# Altium PCB foxbms2-master.PcbDoc (part 9 of 12) (continued)
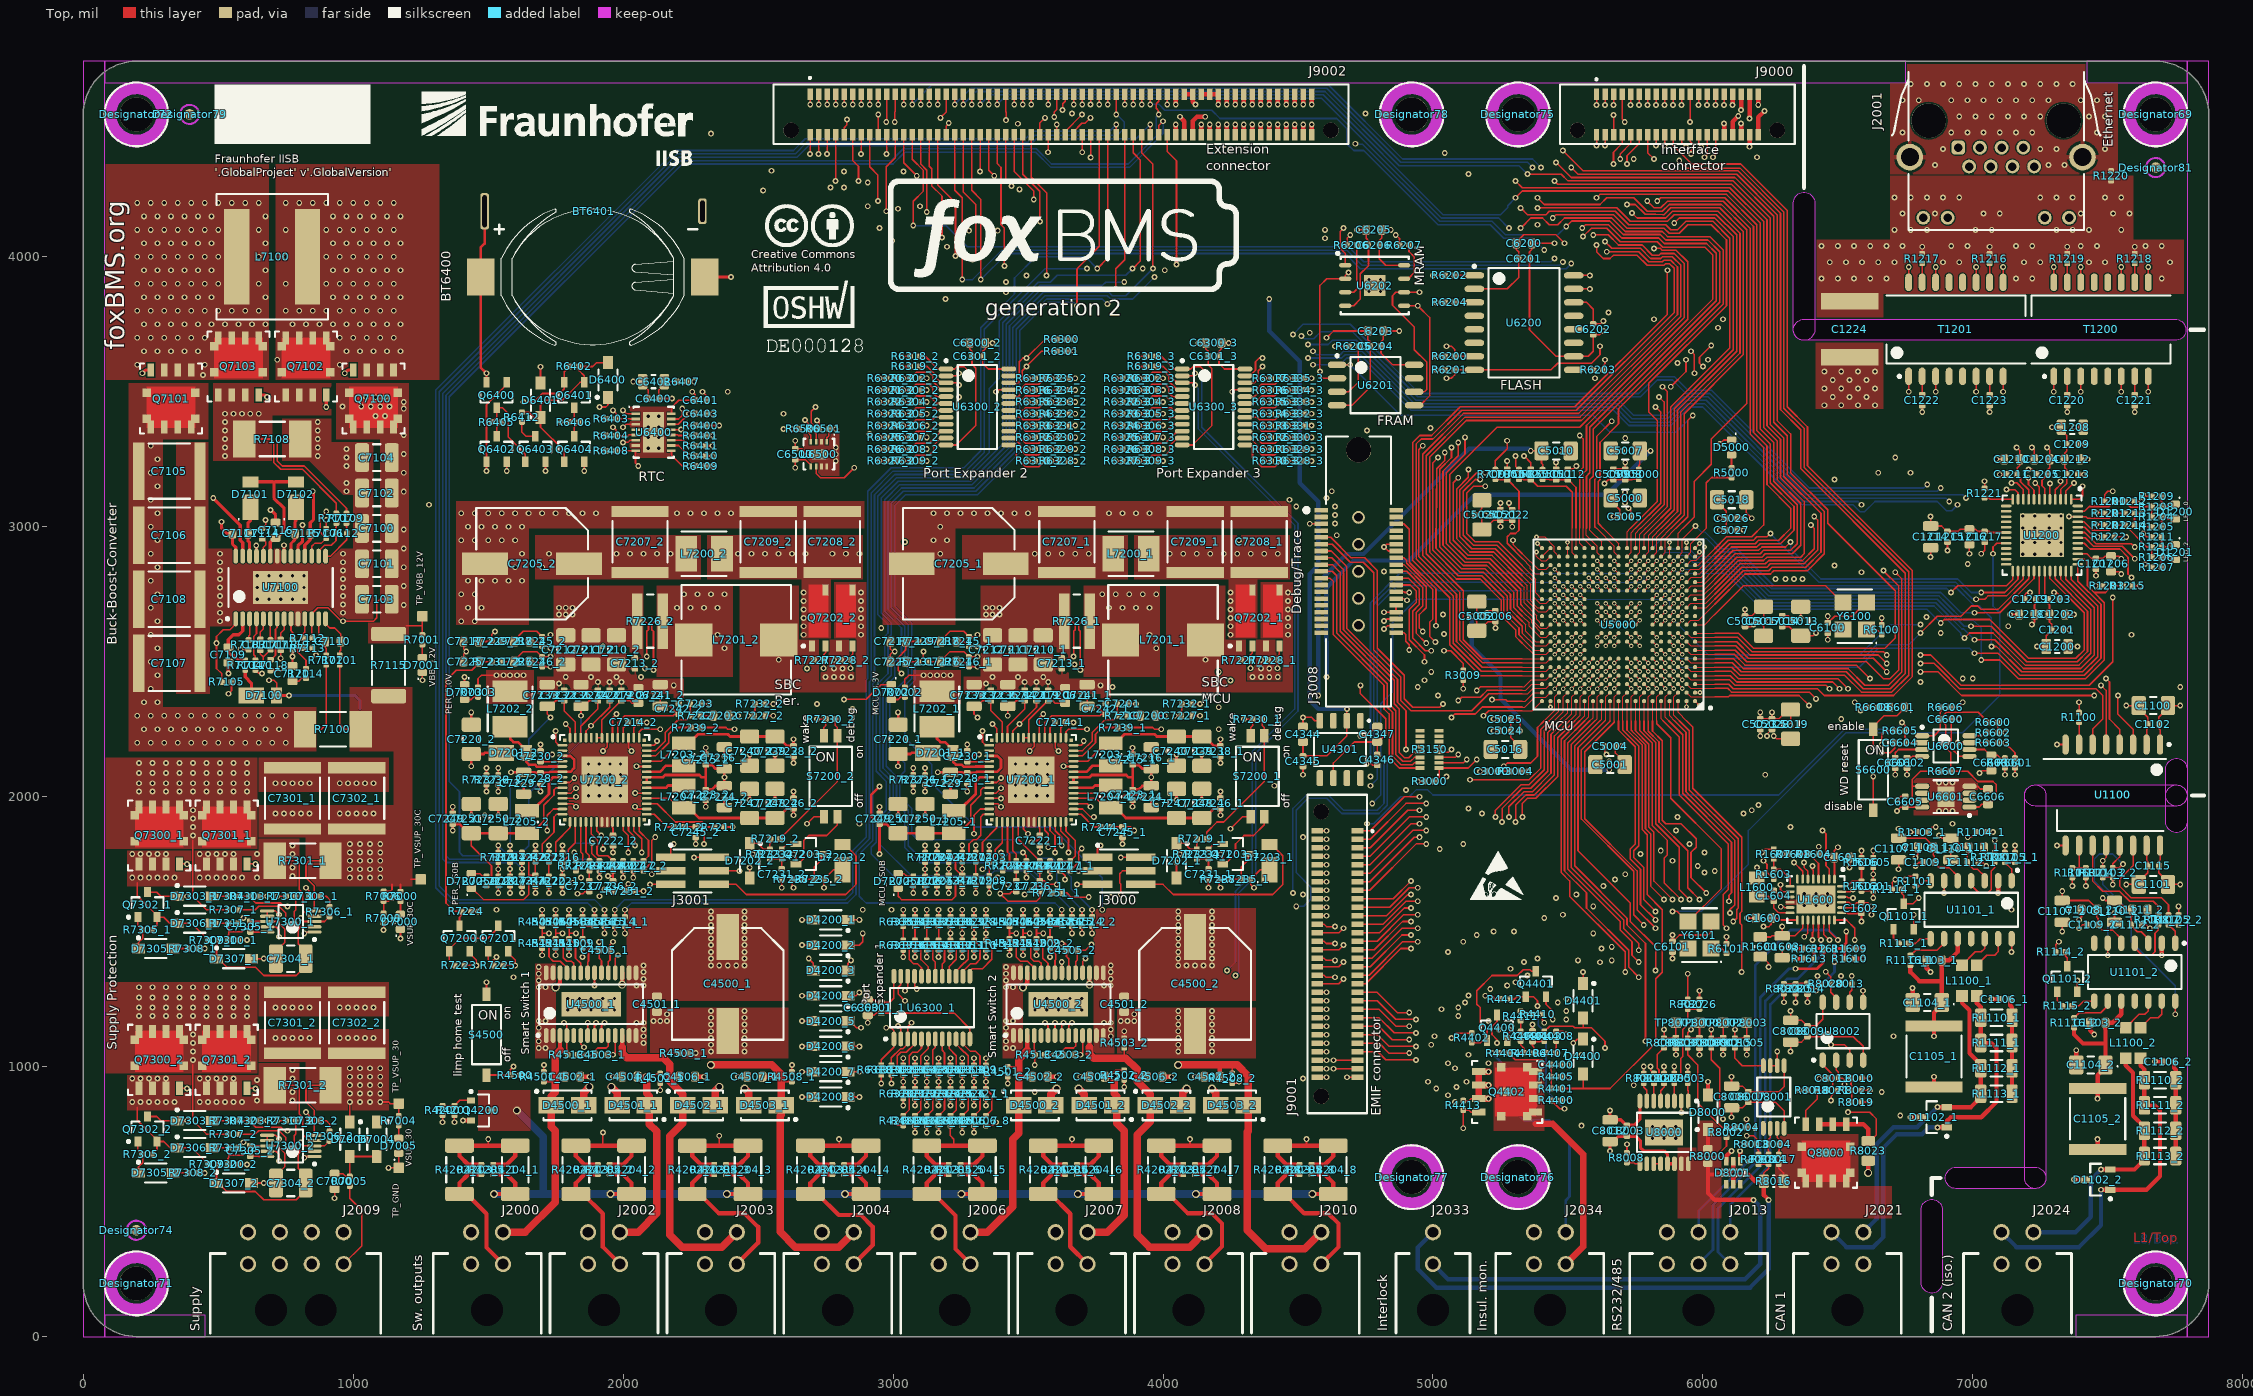
[diagram p0: Top view]
## Nets (pads, with @x,y where several pads share a name; then routed paths per layer and width w, separated by ;. In a path a pad name is that pad's centre, name@x,y a point inside that pad or via, vN(x,y) a via of type N, cw(c..) or ccw(c..) an arc to the next point about the centre after c; other vN are vias at no path point) (continued)
NetC7244_1_2: C7244_1.2 D7200_1.1 R7242_1.1 R7243_1.1 U7200_1.14 | length 731.8
  Top w6: D7200_1.1@3018.75,1659.94 3018.75,1631.25 3031.25,1618.75 3218.75,1618.75 3231.25,1631.25 3231.25,1685.58 C7244_1.2@3254.28,1708.61 ; R7243_1.1@3206.25,1792.72 3231.25,1767.72 3231.25,1731.64 C7244_1.2@3254.28,1708.61 ; U7200_1.14@3356.48,1934.55 3334.55,1934.55 3325,1925 3325,1856.63 3309.04,1840.67 3296.92,1840.67 3281.25,1825 3281.25,1782.28 R7242_1.1@3256.25,1757.28 v2(3256.25,1732.95) C7244_1.2@3256.25,1708.61 C7244_1.2@3254.28,1708.61
NetC7244_2_2: C7244_2.2 D7200_2.1 R7242_2.1 R7243_2.1 U7200_2.14 | length 708.6
  Top w6: D7200_2.1@1437.5,1659.94 1441.44,1659.94 1482.63,1618.75 1631.25,1618.75 1650,1637.5 1650,1707.63 ; R7243_2.1@1625,1792.72 1650,1767.72 1650,1707.63 ; U7200_2.14@1775.23,1934.55 1753.3,1934.55 1743.75,1925 1743.75,1868.75 1700,1825 1700,1782.28 R7242_2.1@1675,1757.28 C7244_2.2@1675,1708.61 1650.98,1708.61 1650,1707.63
NetC7300_1_1: C7300_1.1 D7306_1.2 R7310_1.1 R7311_1.2 U7300_1.9 | length 550
  Top w6: D7306_1.2@476.87,1531.25 R7311_1.2@538.53,1531.25 538.53,1500 ; C7300_1.1@536.17,1468.75 536.17,1486.17 538.53,1488.53 538.53,1500 ; v2(718.75,1631.25) R7310_1.1@751.03,1631.25 ; v2(725,1481.25) 725,1506.25 713.44,1517.81 U7300_1.9@681.15,1517.81 650.58,1517.81 649.64,1518.75 606.25,1518.75 587.5,1500 538.53,1500
  Int1 (Sig) w6: v2(718.75,1631.25) 700,1612.5 700,1506.25 v2(725,1481.25)
NetC7300_2_1: C7300_2.1 D7306_2.2 R7310_2.1 R7311_2.2 U7300_2.9 | length 548.7
  Top w6: D7306_2.2@476.87,700 R7311_2.2@538.53,700 538.53,671.88 ; C7300_2.1@536.17,637.5 536.17,661.17 538.53,663.53 538.53,671.88 ; v2(718.75,800) R7310_2.1@751.03,800 ; v2(725,650) 725,675 713.44,686.56 U7300_2.9@681.15,686.56 650.58,686.56 649.64,687.5 606.25,687.5 590.62,671.88 538.53,671.88
  Int1 (Sig) w6: v2(718.75,800) 700,781.25 700,675 v2(725,650)
NetC7303_1_2: C7303_1.2 R7306_1.1 | length 68.4
  Top w6: C7303_1.2@876.33,1631.25 900,1631.25 912.5,1618.75 R7306_1.1@912.5,1591.68
NetC7303_2_2: C7303_2.2 R7306_2.1 | length 68.4
  Top w6: C7303_2.2@876.33,800 900,800 912.5,787.5 R7306_2.1@912.5,760.43
NetC7304_1_2: C7304_1.2 D7307_1.1 R7309_1.1 R7310_1.2 U7300_1.2 | length 778.6
  Top w6: R7309_1.1@498.97,1468.75 498.97,1453.92 493.75,1448.71 D7307_1.1@493.75,1400 499.85,1400 531.1,1368.75 637.5,1368.75 668.75,1337.5 788.93,1337.5 823.87,1372.44 C7304_1.2@823.87,1400 823.87,1427.56 796.24,1455.19 796.24,1508.74 805.31,1517.81 ; R7310_1.2@786.47,1631.25 786.47,1580.22 781.25,1575 781.25,1541.88 805.31,1517.81 ; U7300_1.2@856.35,1517.81 805.31,1517.81
NetC7304_2_2: C7304_2.2 D7307_2.1 R7309_2.1 R7310_2.2 U7300_2.2 | length 778.6
  Top w6: R7309_2.1@498.97,637.5 498.97,622.67 493.75,617.46 D7307_2.1@493.75,568.75 499.85,568.75 531.1,537.5 637.5,537.5 668.75,506.25 788.93,506.25 823.87,541.19 C7304_2.2@823.87,568.75 823.87,596.31 796.24,623.94 796.24,677.49 805.31,686.56 ; R7310_2.2@786.47,800 786.47,748.97 781.25,743.75 781.25,710.63 805.31,686.56 ; U7300_2.2@856.35,686.56 805.31,686.56
NetC7305_1_2: C7305_1.2 U7300_1.10 | length 62.6
  Top w6: C7305_1.2@618.75,1498.67 650.04,1498.67 650.58,1498.13 U7300_1.10@681.15,1498.13
NetC7305_2_2: C7305_2.2 U7300_2.10 | length 62.6
  Top w6: C7305_2.2@618.75,667.42 650.04,667.42 650.58,666.88 U7300_2.10@681.15,666.88
NetC8004_1: C8004.1 R8017.1 U8001.3 | length 101.9
  Top w6: U8001.3@6275.3,771.36 6275.3,737.2 6282.58,729.92 C8004.1@6282.58,712.5 6282.58,690.12 6281.25,688.79 R8017.1@6281.25,673.97 R8017.1@6281.91,674.63
NetC8004_2: C8004.2 R8014.1 U8001.2 | length 101
  Top w6: R8014.1@6243.75,673.97 6243.75,688.79 6242.42,690.12 C8004.2@6242.42,712.5 6242.42,729.92 6249.7,737.2 U8001.2@6249.7,771.36
NetC8010_2: C8010.2 R8019.2 R8021.1 R8022.2 U8002.3 | length 513.2
  Top w6: v2(6475,875) 6475,889.57 R8021.1@6497.93,912.5 R8022.2@6551.03,912.5 ; v2(6475,1081.25) 6525,1081.25 6543.75,1062.5 U8002.3@6543.75,1023.97 ; R8019.2@6551.03,868.75 R8022.2@6551.03,912.5 ; C8010.2@6551.03,953.89 C8010.2@6548.67,956.25 6548.67,932.58 6551.03,930.22 R8022.2@6551.03,912.5
  Int1 (Sig) w6: v2(6475,875) v2(6475,1081.25)
NetC8011_1: C8011.1 C8013.1 Q8000.S R8023.1 U8002.2 U8002.6 | length 1268.6
  Top w6: U8002.2@6493.75,1023.97 6493.75,987.5 6501.33,979.92 C8011.1@6501.33,956.25 6518.75,956.25 6524.36,950.64 v2(6524.36,934.33) ; v1(6537.5,831.25) 6618,831.25 6643,806.25 6643,747.53 6619.39,723.92 R8023.1@6612.5,723.92 ; U8002.6@6543.75,1238.53 6543.75,1275 6551.33,1282.58 C8013.1@6551.33,1306.25 v2(6551.33,1336.17)
  Top w16: Q8000.S@6437.5,786.57 6487.5,786.57 Q8000.S@6537.5,786.57 ; Q8000.S@6531.25,786.57 6594.69,786.57 6612.5,768.75 R8023.1@6612.5,723.92
  Int1 (Sig) w6: v1(6537.5,831.25) 6524.36,844.39 v2(6524.36,934.33) 6551.33,961.3 6551.33,1201.33 6625,1275 6625,1304.13 6592.96,1336.17 v2(6551.33,1336.17)
NetC8014_2: C8014.2 R8024.2 R8025.2 U8002.5 | length 348.8
  Top w6: R8024.2@6300,1306.25 R8025.2@6343.75,1306.25 6358.58,1306.25 6360.94,1308.61 C8014.2@6387.5,1308.61 6389.47,1308.61 6416.83,1281.25 v1(6418.75,1281.25) ; U8002.5@6593.75,1238.53 v1(6593.75,1281.25)
  Int3 (Sig) w6: v1(6418.75,1281.25) v1(6593.75,1281.25)
NetD5000_2: D5000.2 R5000.1 | length 48.5
  Top w6: R5000.1@6106.25,3217.72 D5000.2@6106.25,3266.19
NetD6400_2: D6400.2 D6401.1 Q6401.G Q6404.G R6402.1 R6412.2 | length 700.8
  Top w6: R6412.2@1625,3423.97 1651.03,3423.97 1670.62,3404.38 D6401.1@1693.75,3404.38 ; Q6404.G@1781.35,3240.26 1781.35,3281.15 1693.75,3368.75 D6401.1@1693.75,3404.38 ; D6400.2@1943.75,3608.12 1901.87,3608.12 1887.5,3593.75 R6402.1@1836.47,3593.75 1836.47,3578.92 1856.15,3559.24 Q6401.G@1856.15,3534.74 1840.34,3534.74 1774.35,3468.75 1712.5,3468.75 1693.75,3450 D6401.1@1693.75,3404.38
NetD6601_2: D6601.2 R6608.1 | length 42.2
  Top w6: R6608.1@6648.97,2331.25 D6601.2@6691.19,2331.25
NetD7000_2: D7000.2 R7000.1 | length 48.5
  Top w6: D7000.2@1175,1564.03 R7000.1@1175,1612.5
NetD7001_2: D7001.2 R7001.1 | length 48.5
  Top w6: D7001.2@1256.25,2515.06 R7001.1@1256.25,2563.53
NetD7002_2: D7002.2 R7002.1 | length 54.1
  Top w6: D7002.2@2993.75,2359.94 3019.08,2359.94 3028.92,2369.78 R7002.1@3043.75,2369.78
NetD7003_2: D7003.2 R7003.1 | length 54.1
  Top w6: D7003.2@1412.5,2359.94 1437.83,2359.94 1447.67,2369.78 R7003.1@1462.5,2369.78
NetD7005_2: D7005.2 R7004.1 | length 48.5
  Top w6: D7005.2@1168.75,733.81 R7004.1@1168.75,782.28
NetD7100_1: D7100.1 R7104.2 | length 104.2
  Top w12: R7104.2@600,2469.78 600,2443.75 622.79,2420.96 D7100.1@622.79,2375
NetD7200_1_2: D7200_1.2 R7250_1.1 | length 60.3
  Top w6: D7200_1.2@3018.75,1715.06 3040.47,1715.06 3050.31,1705.22 R7250_1.1@3075,1705.22
NetD7200_2_2: D7200_2.2 R7250_2.1 | length 60.3
  Top w6: D7200_2.2@1437.5,1715.06 1469.08,1715.06 1478.92,1705.22 R7250_2.1@1493.75,1705.22
NetD7201_1_2: D7201_1.2 L7202_1.1 U7200_1.5 | length 306.7
  Top w10: L7202_1.1@3162.5,2259.06 3162.5,2214.7 3175,2202.2 3191.7,2202.2 3222.54,2171.36 D7201_1.2@3222.54,2162.5 3222.54,2128.97 3232.76,2118.75 3254,2118.75 3262.07,2110.68 3304.44,2110.68 3305.46,2111.71 U7200_1.5@3356.48,2111.71
NetD7201_2_2: D7201_2.2 L7202_2.1 U7200_2.5 | length 306.7
  Top w10: L7202_2.1@1581.25,2259.06 1581.25,2214.7 1593.75,2202.2 1610.45,2202.2 1641.29,2171.36 D7201_2.2@1641.29,2162.5 1641.29,2128.97 1651.51,2118.75 1672.75,2118.75 1680.82,2110.68 1723.18,2110.68 1724.21,2111.71 U7200_2.5@1775.23,2111.71
NetD7202_1_1: D7202_1.1 Q7203_1.S R7219_1.1 R7233_1.2 S7200_1.2 | length 623.5
  Top w6: v2(4062.5,1787.5) 4061.35,1787.5 4050,1798.85 D7202_1.1@4050,1826.87 4079.38,1826.87 4101.03,1805.22 R7233_1.2@4125,1805.22 4125,1825 4127.07,1827.07 R7219_1.1@4127.07,1843.75 ; v2(4212.5,1787.5) 4221.51,1778.49 Q7203_1.S@4221.51,1750.1 4229.38,1750.1 4268.75,1789.47 4268.75,1825 4300,1856.25 4335.25,1856.25 4375,1896 S7200_1.2@4375,1925
  Int3 (Sig) w6: v2(4062.5,1787.5) v2(4212.5,1787.5)
NetD7202_2_1: D7202_2.1 Q7203_2.S R7219_2.1 R7233_2.2 S7200_2.2 | length 641.8
  Top w6: v2(2481.25,1787.5) 2480.1,1787.5 2468.75,1798.85 D7202_2.1@2468.75,1826.87 2498.13,1826.87 2519.78,1805.22 R7233_2.2@2543.75,1805.22 2543.75,1825 2545.82,1827.07 R7219_2.1@2545.82,1843.75 ; v2(2631.25,1787.5) 2640.26,1778.49 Q7203_2.S@2640.26,1750.1 2648.13,1750.1 2668.75,1770.72 2668.75,1837.5 2687.5,1856.25 2754,1856.25 2793.75,1896 S7200_2.2@2793.75,1925
  Int3 (Sig) w6: v2(2481.25,1787.5) v2(2631.25,1787.5)
NetD7303_1_1: D7303_1.1 Q7300_1.G Q7302_1.C | length 300.5
  Top w6: Q7302_1.C@237.5,1646.26 272.49,1646.26 287.5,1631.25 D7303_1.1@348.13,1631.25 v1(384.42,1631.25) ; Q7300_1.G@356.25,1750.93 383.49,1750.93 v1(384.42,1750)
  Int1 (Sig) w6: v1(384.42,1631.25) v1(384.42,1750)
NetD7303_1_2: D7303_1.2 R7304_1.2 | length 61.7
  Top w6: D7303_1.2@476.87,1631.25 R7304_1.2@538.53,1631.25
NetD7303_2_1: D7303_2.1 Q7300_2.G Q7302_2.C | length 300.5
  Top w6: Q7302_2.C@237.5,815.01 272.49,815.01 287.5,800 D7303_2.1@348.13,800 v1(384.42,800) ; Q7300_2.G@356.25,919.68 383.49,919.68 v1(384.42,918.75)
  Int1 (Sig) w6: v1(384.42,800) v1(384.42,918.75)
NetD7303_2_2: D7303_2.2 R7304_2.2 | length 61.7
  Top w6: D7303_2.2@476.87,800 R7304_2.2@538.53,800
NetD7305_1_1: D7305_1.1 Q7302_1.B R7305_1.1 | length 130
  Top w6: Q7302_1.B@202.07,1553.74 202.07,1523.97 R7305_1.1@219.78,1506.25 219.78,1474.82 204.38,1459.41 D7305_1.1@204.38,1437.5
NetD7305_1_2: D7305_1.2 R7308_1.2 | length 55.4
  Top w6: D7305_1.2@333.12,1437.5 R7308_1.2@388.53,1437.5
NetD7305_2_1: D7305_2.1 Q7302_2.B R7305_2.1 | length 130
  Top w6: Q7302_2.B@202.07,722.49 202.07,692.72 R7305_2.1@219.78,675 219.78,643.57 204.38,628.16 D7305_2.1@204.38,606.25
NetD7305_2_2: D7305_2.2 R7308_2.2 | length 55.4
  Top w6: D7305_2.2@333.12,606.25 R7308_2.2@388.53,606.25
NetD8000_1: D8000.1 R8000.2 | length 70.6
  Top w16: R8000.2@6018.75,696.31 D8000.1@6018.75,766.88
NetL1100_1_2: L1100_1.2 U1101_1.12 | length 145.9
  Top w6: L1100_1.2@6959.94,1375.64 7009.3,1425 7031.25,1425 7043.75,1437.5 U1101_1.12@7043.75,1473.97
NetL1100_1_3: L1100_1.3 U1101_1.13 | length 148.1
  Top w6: L1100_1.3@7015.06,1375.64 7051.92,1412.5 7081.25,1412.5 7093.75,1425 U1101_1.13@7093.75,1473.97
NetL1100_2_2: L1100_2.2 U1101_2.12 | length 145.9
  Top w6: L1100_2.2@7566.19,1144.39 7615.55,1193.75 7637.5,1193.75 7650,1206.25 U1101_2.12@7650,1242.72
NetL1100_2_3: L1100_2.3 U1101_2.13 | length 148.1
  Top w6: L1100_2.3@7621.31,1144.39 7658.17,1181.25 7687.5,1181.25 7700,1193.75 U1101_2.13@7700,1242.72
NetL7201_1_2: L7201_1.2 R7226_1.1 U7200_1.42 | length 539.4
  Top w6: U7200_1.42@3668.52,2190.45 3696.7,2190.45 3706.25,2200 v2(3706.25,2206.25) ; v2(3693.75,2468.75) 3693.75,2612.5 3687.5,2618.75 3687.5,2637.5 3700,2650 R7226_1.1@3728.49,2650
  Int1 (Sig) w6: v2@3693.75,2475 v2(3693.75,2468.75) 3693.75,2237.5 3706.25,2225 v2(3706.25,2206.25)
  other v1: 3975,2550 3950,2600 3800,2700 3850,2700 3900,2700 3950,2700 3775,2750 3825,2750 3875,2750 3925,2750 3975,2750
NetL7201_2_2: L7201_2.2 R7226_2.1 U7200_2.42 | length 539.4
  Top w6: U7200_2.42@2087.27,2190.45 2115.45,2190.45 2125,2200 v2(2125,2206.25) ; v2(2112.5,2468.75) 2112.5,2612.5 2106.25,2618.75 2106.25,2637.5 2118.75,2650 R7226_2.1@2147.24,2650
  Int1 (Sig) w6: v2@2112.5,2475 v2(2112.5,2468.75) 2112.5,2237.5 2125,2225 v2(2125,2206.25)
  other v1: 2375,2550 2350,2600 2200,2700 2250,2700 2300,2700 2350,2700 2225,2750 2275,2750 2325,2750 2375,2750
NetL7203_1_1: L7203_1.1 U7200_1.37 | length 147.1
  Top w10: U7200_1.37@3668.52,2092.03 3717.03,2092.03 3739.71,2114.71 L7203_1.1@3806.25,2114.71
NetL7203_2_1: L7203_2.1 U7200_2.37 | length 147.1
  Top w10: U7200_2.37@2087.27,2092.03 2135.78,2092.03 2158.46,2114.71 L7203_2.1@2225,2114.71
NetL7204_1_1: L7204_1.1 U7200_1.34 | length 141.3
  Top w10: U7200_1.34@3668.52,2032.97 3739.22,2032.97 3747.79,2041.54 L7204_1.1@3806.25,2041.54
NetL7204_2_1: L7204_2.1 U7200_2.34 | length 141.3
  Top w10: U7200_2.34@2087.27,2032.97 2157.97,2032.97 2166.54,2041.54 L7204_2.1@2225,2041.54
NetL7205_1_1: L7205_1.1 U7200_1.7 | length 209.7
  Top w10: L7205_1.1@3225,1947.79 3243.31,1947.79 3306.25,2010.73 3306.25,2056.25 3322.34,2072.34 U7200_1.7@3356.48,2072.34
NetL7205_2_1: L7205_2.1 U7200_2.7 | length 209.7
  Top w10: L7205_2.1@1643.75,1947.79 1662.06,1947.79 1725,2010.73 1725,2056.25 1741.09,2072.34 U7200_2.7@1775.23,2072.34
NetQ1101_1_G: Q1101_1.G R1115_1.1 | length 61
  Top w6: Q1101_1.G@6706.35,1509.01 6706.35,1481.35 6706.25,1481.25 6706.25,1476.03 R1115_1.1@6726.03,1456.25
NetQ1101_2_D: Q1101_2.D R1114_2.2 | length 55.8
  Top w6: R1114_2.2@7342.72,1425 7342.72,1410.17 7350,1402.89 Q1101_2.D@7350,1372.24
NetQ1101_2_G: Q1101_2.G R1115_2.1 | length 61
  Top w6: Q1101_2.G@7312.6,1277.76 7312.6,1250.1 7312.5,1250 7312.5,1244.78 R1115_2.1@7332.28,1225
NetQ4200_G: Q4200.G R4200.2 R4201.2 | length 113.2
  Top w6: R4200.2@1331.25,855.22 R4201.2@1375,855.22 1394.68,874.9 Q4200.G@1436.26,874.9
NetQ4400_D: Q4400.D Q4402.G R4413.2 | length 670.9
  Top w6: v1(5112.5,771.92) R4413.2@5112.5,838.53 5133.8,838.53 5141.08,831.25 Q4402.G@5169.69,831.25 ; v1(5237.5,1087.5) 5237.5,1100 5218.75,1118.75 5218.75,1148.56 5237.5,1167.31 Q4400.D@5237.5,1190.99
  Int1 (Sig) w6: v1(5112.5,771.92) 5184.42,771.92 5256.25,843.75 5256.25,1068.75 v1(5237.5,1087.5)
NetQ4400_G: Q4400.G Q4401.D R4402.1 | length 513.5
  Top w6: R4402.1@5143.75,1088.53 5176.31,1088.53 5184.29,1096.51 Q4400.G@5200.1,1096.51 5200.1,1137.4 5175,1162.5 5175,1218.75 5162.5,1231.25 5162.5,1281.25 5218.75,1337.5 5312.5,1337.5 5334.33,1359.33 5359.61,1359.33 5365.44,1353.49 Q4401.D@5381.25,1353.49
NetQ4401_G: Q4401.G R4400.2 R4412.2 | length 614.4
  Top w6: R4412.2@5286.47,1250 5301.29,1250 5310.3,1259.01 Q4401.G@5343.85,1259.01 5372.24,1259.01 5387.5,1243.75 v1(5387.5,1225) ; R4400.2@5438.53,875 5469.78,843.75 v1(5487.5,843.75)
  Bottom w6: v1(5387.5,1225) 5387.5,1175.32 5390.67,1172.15 5390.67,1153.46 5418.75,1125.38 5418.75,912.5 v1(5487.5,843.75)
NetQ6400_D: Q6400.D Q6403.G R6405.2 | length 317.2
  Top w6: R6405.2@1513.53,3387.5 1531.25,3405.22 Q6400.D@1531.25,3440.26 1553.49,3440.26 1575,3418.75 1575,3331.25 1637.6,3268.65 Q6403.G@1637.6,3240.26
NetQ6400_G: Q6400.G Q6402.G R6400.1 U6400.13 | length 1283.1
  Top w6: v2(1493.75,3206.25) 1493.75,3200.2 1493.85,3200.1 Q6402.G@1493.85,3240.26 1493.85,3452.07 1568.65,3526.87 Q6400.G@1568.65,3534.74 ; U6400.13@2179.04,3359.84 2198.78,3359.84 2198.87,3359.76 v2(2213.78,3359.76) 2229.02,3375 R6400.1@2269.78,3375
  Int1 (Sig) w6: v2(1493.75,3206.25) 1537.5,3250 2156.25,3250 2212.5,3306.25 2212.5,3358.48 v2(2213.78,3359.76)
NetQ6402_D: Q6402.D R6405.1 | length 60.1
  Top w6: Q6402.D@1531.25,3334.74 1531.25,3369.78 R6405.1@1548.97,3387.5
NetQ6403_D: Q6403.D R6412.1 | length 94.9
  Top w6: R6412.1@1625,3388.53 1625,3350 1640.26,3334.74 Q6403.D@1675,3334.74
NetQ6404_D: Q6404.D R6406.1 | length 60.1
  Top w6: Q6404.D@1818.75,3334.74 1818.75,3369.78 R6406.1@1836.47,3387.5
NetQ7100_G: Q7100.G U7100.19 | length 785.5
  Top w12: U7100.19@795.23,2891.14 795.23,2929.17 812.5,2946.45 v2(812.5,3006.25) ; v1(968.75,3568.75) 980.32,3580.31 Q7100.G@1000,3580.31
  Int1 (Sig) w12: v2(812.5,3006.25) 812.5,3012.5 931.25,3131.25 931.25,3531.25 v1(968.75,3568.75)
NetQ7101_G: Q7101.G U7100.27 | length 867.6
  Top w12: v1(218.75,3568.75) 230.32,3580.31 Q7101.G@250,3580.31 ; v2(481.25,3106.25) 581.25,3006.25 581.25,2950 590.5,2940.75 U7100.27@590.5,2891.14
  Int1 (Sig) w12: v1(218.75,3568.75) 218.75,3368.75 v2(481.25,3106.25)
NetQ7102_G: Q7102.G U7100.21 | length 662.1
  Top w12: v2(743.75,2931.25) 744.05,2930.95 U7100.21@744.05,2891.14 ; v1(900,3443.75) Q7102.G@900,3488.44
  Int1 (Sig) w12: v2(743.75,2931.25) 743.75,2981.25 900,3137.5 v1(900,3443.75)
NetQ7102_S: Q7102.S Q7103.S R7107.1 R7108.2 | length 521.7
  Top w6: R7108.2@596.65,3325 693.75,3325 706.25,3312.5 706.25,3237.5 731.25,3212.5 812.5,3212.5 937.5,3087.5 R7107.1@937.5,3048.97
  other v1: 525,3262.5 525,3293.75 525,3325 525,3356.25 525,3387.5 525,3418.75 556.25,3418.75 587.5,3418.75 618.75,3418.75 650,3418.75
NetQ7103_G: Q7103.G U7100.25 | length 649
  Top w12: v2(640.92,2930.43) v2@640.92,2932.55 ; v2@640.92,2934.08 v2@640.92,2932.55 ; U7100.25@641.68,2891.14 641.68,2933.32 v2@640.92,2932.55 ; v2@641.92,2931.74 v2@642.16,2931.98 ; Q7103.G@650,3488.44 671.45,3488.44 678.64,3481.25 v1(681.25,3481.25)
  Int1 (Sig) w12: v2(640.92,2930.43) 640.92,3053.42 681.25,3093.75 v1(681.25,3481.25)
NetQ7200_G: Q7200.G Q7201.D R7223.2 | length 290.4
  Top w6: R7223.2@1376.03,1375 1356.35,1394.68 Q7200.G@1356.35,1427.76 1356.35,1435.63 1395.72,1475 1498.13,1475 1537.5,1514.37 Q7201.D@1537.5,1522.24
NetQ7202_1_2: Q7202_1.2 R7227_1.1 U7200_1.45 | length 1055.3
  Top w6: U7200_1.45@3601.08,2218.52 3601.08,2180.17 v2(3612.5,2168.75) ; v2(4323.97,2476.03) R7227_1.1@4323.97,2506.25 4323.97,2526.22 4331.25,2533.5 Q7202_1.2@4331.25,2558.17
  Int3 (Sig) w6: v2(3612.5,2168.75) 3793.75,2168.75 3900,2275 4150,2275 v1(4206.25,2331.25) ; v1(4206.25,2462.5) 4219.78,2476.03 v2(4323.97,2476.03)
  Int1 (Sig) w6: v1(4206.25,2331.25) v1(4206.25,2462.5)
NetQ7202_1_4: Q7202_1.4 R7228_1.2 U7200_1.43 | length 1091.5
  Top w6: U7200_1.43@3640.45,2218.52 3640.45,2240.45 3650,2250 v2(3718.75,2250) ; v2(4423.97,2476.03) R7228_1.2@4423.97,2506.25 4423.97,2521.08 4431.25,2528.36 Q7202_1.4@4431.25,2558.17
  Int3 (Sig) w6: v1(3812.5,2406.25) 4431.25,2406.25 4450,2425 4450,2450 v2(4423.97,2476.03)
  Int1 (Sig) w6: v2(3718.75,2250) 3718.75,2312.5 v1(3812.5,2406.25)
NetQ7202_2_2: Q7202_2.2 R7227_2.1 U7200_2.45 | length 1122.1
  Top w6: U7200_2.45@2019.83,2218.52 2019.83,2180.17 v2(2031.25,2168.75) ; v2(2742.72,2476.03) R7227_2.1@2742.72,2506.25 2742.72,2526.22 2750,2533.5 Q7202_2.2@2750,2558.17
  Int3 (Sig) w6: v1(2065.67,2443.75) 2710.43,2443.75 v2(2742.72,2476.03)
  Int1 (Sig) w6: v2@2029.69,2170.31 v2@2029.69,2173.06 ; v2(2031.25,2168.75) 2031.25,2300 2065.67,2334.42 v1(2065.67,2443.75)
NetQ7202_2_4: Q7202_2.4 R7228_2.2 U7200_2.43 | length 1102.5
  Top w6: U7200_2.43@2059.2,2218.52 2059.2,2240.45 2068.75,2250 v2(2137.5,2250) ; v2(2842.72,2476.03) R7228_2.2@2842.72,2506.25 2842.72,2521.08 2850,2528.36 Q7202_2.4@2850,2558.17
  Int3 (Sig) w6: v2(2137.5,2250) 2350,2250 2375,2275 2662.5,2275 2700,2312.5 2837.5,2312.5 v1(2850,2325)
  Int1 (Sig) w6: v2(2842.72,2476.03) 2868.75,2450 2868.75,2425 2850,2406.25 v1(2850,2325)
NetQ7203_1_D: Q7203_1.D R7235_1.2 R7238_1.2 | length 150.5
  Top w6: R7238_1.2@4243.75,1693.75 R7235_1.2@4289.57,1693.75 4289.57,1739.57 4315.99,1765.99 Q7203_1.D@4315.99,1787.5
NetQ7203_1_G: Q7203_1.G R7234_1.2 | length 60.9
  Top w6: R7234_1.2@4168.75,1805.22 4188.44,1824.9 Q7203_1.G@4221.51,1824.9
NetQ7203_2_D: Q7203_2.D R7235_2.2 R7238_2.2 | length 150.5
  Top w6: R7238_2.2@2662.5,1693.75 R7235_2.2@2708.32,1693.75 2708.32,1739.57 2734.74,1765.99 Q7203_2.D@2734.74,1787.5
NetQ7203_2_G: Q7203_2.G R7234_2.2 | length 60.9
  Top w6: R7234_2.2@2587.5,1805.22 2607.18,1824.9 Q7203_2.G@2640.26,1824.9
NetQ7300_1_D: Q7300_1.D Q7301_1.D R7307_1.2 | length 359.2
  Top w6: 406.25,1837.5 406.25,1631.25 456.25,1581.25 R7307_1.2@538.53,1581.25
  other v1: 406.25,1856.25 406.25,1887.5 406.25,1918.75 406.25,1950 206.25,2018.75 256.25,2018.75 306.25,2018.75 356.25,2018.75 406.25,2018.75 456.25,2018.75 506.25,2018.75 556.25,2018.75 606.25,2018.75 206.25,2050 256.25,2050 306.25,2050 356.25,2050 406.25,2050 456.25,2050 506.25,2050 556.25,2050 606.25,2050 206.25,2087.5 256.25,2087.5 306.25,2087.5 356.25,2087.5 406.25,2087.5 456.25,2087.5 506.25,2087.5 556.25,2087.5 606.25,2087.5 206.25,2125 256.25,2125 306.25,2125 356.25,2125 406.25,2125 456.25,2125 506.25,2125 556.25,2125 606.25,2125
NetQ7300_2_D: Q7300_2.D Q7301_2.D R7307_2.2 | length 359.2
  Top w6: 406.25,1006.25 406.25,800 456.25,750 R7307_2.2@538.53,750
  other v1: 406.25,1025 406.25,1056.25 406.25,1087.5 406.25,1118.75 206.25,1187.5 256.25,1187.5 306.25,1187.5 356.25,1187.5 406.25,1187.5 456.25,1187.5 506.25,1187.5 556.25,1187.5 606.25,1187.5 206.25,1218.75 256.25,1218.75 306.25,1218.75 356.25,1218.75 406.25,1218.75 456.25,1218.75 506.25,1218.75 556.25,1218.75 606.25,1218.75 206.25,1256.25 256.25,1256.25 306.25,1256.25 356.25,1256.25 406.25,1256.25 456.25,1256.25 506.25,1256.25 556.25,1256.25 606.25,1256.25 206.25,1293.75 256.25,1293.75 306.25,1293.75 356.25,1293.75 406.25,1293.75 456.25,1293.75 506.25,1293.75 556.25,1293.75 606.25,1293.75
NetQ7301_1_G: Q7301_1.G R7303_1.2 | length 216.3
  Top w6: Q7301_1.G@606.25,1750.93 636.57,1750.93 v1(637.5,1750) ; R7303_1.2@648.97,1631.25 v1(681.25,1631.25)
  Int1 (Sig) w6: v1(637.5,1750) 618.75,1731.25 618.75,1693.75 v1(681.25,1631.25)
NetQ7301_1_S: Q7301_1.S R7301_1.1 U7300_1.4 | length 324.3
  Top w6: R7301_1.1@709.15,1762.5 787.5,1762.5 800,1750 800,1655.77 812.5,1643.27 812.5,1580.36 835.68,1557.18 U7300_1.4@856.35,1557.18
  other v1: 431.25,1700 462.5,1700 493.75,1700 525,1700 556.25,1700 587.5,1700 643.75,1700 775,1706.25 775,1737.5 431.25,1787.5 462.5,1787.5 493.75,1787.5 525,1787.5 556.25,1787.5 643.75,1787.5 775,1787.5 775,1818.75
NetQ7301_2_G: Q7301_2.G R7303_2.2 | length 216.3
  Top w6: Q7301_2.G@606.25,919.68 636.57,919.68 v1(637.5,918.75) ; R7303_2.2@648.97,800 v1(681.25,800)
  Int1 (Sig) w6: v1(637.5,918.75) 618.75,900 618.75,862.5 v1(681.25,800)
NetQ7301_2_S: Q7301_2.S R7301_2.1 U7300_2.4 | length 324.3
  Top w6: R7301_2.1@709.15,931.25 787.5,931.25 800,918.75 800,824.52 812.5,812.02 812.5,749.11 835.68,725.93 U7300_2.4@856.35,725.93
  other v1: 431.25,868.75 462.5,868.75 493.75,868.75 525,868.75 556.25,868.75 587.5,868.75 643.75,875 775,875 775,906.25 643.75,950 431.25,956.25 462.5,956.25 493.75,956.25 525,956.25 556.25,956.25 775,956.25 775,987.5
NetQ8000_D: Q8000.D R8016.2 R8017.2 | length 70.9
  Top w6: R8017.2@6281.25,638.53 6281.25,623.71 6298.92,606.04 R8016.2@6298.92,575
NetQ8000_G: Q8000.G R8018.1 R8021.2 U8002.1 | length 316.9
  Top w6: Q8000.G@6381.25,786.57 6381.25,837.5 6423.97,880.22 R8018.1@6423.97,912.5 R8021.2@6462.5,912.5 6481.25,931.25 6481.25,969.73 6443.75,1007.23 U8002.1@6443.75,1023.97
NetR1100_1: R1100.1 U1100.7 | length 82.8
  Top w6: U1100.7@7393.75,2193.26 R1100.1@7393.75,2276.03
NetR1101_1: R1101.1 U1101_1.7 | length 64
  Top w6: R1101.1@6787.5,1669.78 6802.33,1669.78 6821.08,1688.53 U1101_1.7@6843.75,1688.53
NetR1105_1_1: R1105_1.1 R1107_1.2 U1101_1.1 | length 116.6
  Top w6: U1101_1.1@7143.75,1688.53 7143.75,1732.28 R1107_1.2@7118.75,1757.28 7133.58,1757.28 R1105_1.1@7156.25,1757.28
NetR1105_2_1: R1105_2.1 R1107_2.2 U1101_2.1 | length 116.6
  Top w6: U1101_2.1@7750,1457.28 7750,1501.03 R1107_2.2@7725,1526.03 7739.83,1526.03 R1105_2.1@7762.5,1526.03
NetR1108_1_2: R1108_1.2 U1101_1.4 | length 231.5
  Top w6: U1101_1.4@6993.75,1705.27 U1101_1.4@6993.75,1688.53 6993.75,1671.8 7021.8,1643.75 7056.25,1643.75 7068.75,1656.25 7068.75,1725 7081.25,1737.5 R1108_1.2@7081.25,1757.28
NetR1108_2_2: R1108_2.2 U1101_2.4 | length 231.5
  Top w6: U1101_2.4@7600,1474.02 U1101_2.4@7600,1457.28 7600,1440.55 7628.05,1412.5 7662.5,1412.5 7675,1425 7675,1493.75 7687.5,1506.25 R1108_2.2@7687.5,1526.03
NetR1115_1_2: R1115_1.2 U1101_1.8 | length 89.6
  Top w6: R1115_1.2@6761.47,1456.25 6787.5,1456.25 6805.22,1473.97 U1101_1.8@6843.75,1473.97
NetR1115_2_2: R1115_2.2 U1101_2.8 | length 89.6
  Top w6: R1115_2.2@7367.72,1225 7393.75,1225 7411.47,1242.72 U1101_2.8@7450,1242.72
NetR1116_1_1: R1116_1.1 U1101_1.9 | length 160.7
  Top w6: R1116_1.1@6768.75,1411.47 6788.53,1431.25 6867.77,1431.25 6893.75,1457.23 U1101_1.9@6893.75,1473.97
NetR1116_2_1: R1116_2.1 U1101_2.9 | length 160.7
  Top w6: R1116_2.1@7375,1180.22 7394.78,1200 7474.02,1200 7500,1225.98 U1101_2.9@7500,1242.72
NetR1216_2: R1216.2 T1201.10 | length 70.6
  Top w6: T1201.10@7062.5,3905.46 R1216.2@7062.5,3976.03
NetR1217_2: R1217.2 T1201.15 | length 70.6
  Top w6: T1201.15@6812.5,3905.46 R1217.2@6812.5,3976.03
NetR1218_2: R1218.2 T1200.10 | length 70.6
  Top w6: T1200.10@7600,3905.46 R1218.2@7600,3976.03
NetR1219_2: R1219.2 T1200.15 | length 70.6
  Top w6: T1200.15@7350,3905.46 R1219.2@7350,3976.03
NetR1221_2: R1221.2 U1200.12 | length 106.6
  Top w6: R1221.2@7043.75,3107.28 7058.58,3107.28 7064.24,3101.62 U1200.12@7147.98,3101.62
NetR1601_1: R1601.1 R1605.2 U1600.27 | length 195.7
  Top w6: U1600.27@6514.22,1648.28 6545.47,1648.28 6553.44,1656.25 v2(6556.25,1656.25) ; R1601.1@6631.25,1686.47 v2(6631.25,1712.5) R1605.2@6631.25,1738.53
  Int1 (Sig) w6: v2(6556.25,1656.25) 6575,1656.25 v2(6631.25,1712.5)
NetR1602_1: R1602.1 R1606.2 U1600.28 | length 133
  Top w6: U1600.28@6514.22,1667.96 6534.95,1667.96 6553.46,1686.47 R1602.1@6587.5,1686.47 R1606.2@6587.5,1738.53
NetR1603_1: R1603.1 R1607.2 U1600.9 | length 142.2
  Top w6: R1607.2@6262.5,1769.78 R1603.1@6262.5,1730.22 6288.53,1730.22 6323.28,1695.47 U1600.9@6323.28,1667.96
NetR1604_1: R1604.1 R1608.2 U1600.4 | length 147
  Top w6: R1608.2@6354.18,1787.5 R1604.1@6393.75,1787.5 6428.59,1752.66 U1600.4@6428.59,1694.54
NetR4202_1_1: R4202_1.1 R4203_1.1 R4204_1.2 R4205_1.2 R4206_1.2 | length 2064.7
  Top w6: 1500,707.28 v2(1500,731.25) ; v1(3006.25,793.75) 3017.72,782.28 R4206_1.2@3037.5,782.28
  Top w16: R4203_1.1@1475,636.47 1426.03,636.47 1393.75,668.75 R4202_1.1@1393.75,707.28 1500,707.28 1542.85,707.28 R4204_1.2@1600,707.28 1600,668.75 1567.72,636.47 R4205_1.2@1518.75,636.47
  Int3 (Sig) w6: v2@1500,731.25 1550,781.25 2993.75,781.25 v1(3006.25,793.75)
NetR4202_2_1: R4202_2.1 R4203_2.1 R4204_2.2 R4205_2.2 R4206_2.2 | length 1714.2
  Top w6: 1925,707.28 v2(1925,756.25) ; v1(3081.25,756.25) R4206_2.2@3081.25,782.28
  Top w16: R4203_2.1@1906.25,636.47 1857.28,636.47 1825,668.75 R4202_2.1@1825,707.28 1925,707.28 1974.1,707.28 R4204_2.2@2031.25,707.28 2031.25,668.75 1998.97,636.47 R4205_2.2@1950,636.47
  Int3 (Sig) w6: v2(1925,756.25) 1937.51,768.76 3068.74,768.76 v1(3081.25,756.25)
NetR4202_3_1: R4202_3.1 R4203_3.1 R4204_3.2 R4205_3.2 R4206_3.2 | length 1329.7
  Top w6: 2356.25,707.28 v2(2356.25,743.75) ; v1(3125,756.25) R4206_3.2@3125,782.28
  Top w16: R4203_3.1@2337.5,636.47 2288.53,636.47 2256.25,668.75 R4202_3.1@2256.25,707.28 2356.25,707.28 2405.35,707.28 R4204_3.2@2462.5,707.28 2462.5,668.75 2430.22,636.47 R4205_3.2@2381.25,636.47
  Int3 (Sig) w6: v2(2356.25,743.75) 2368.75,756.25 3050,756.25 3075,731.25 3100,731.25 v1(3125,756.25)
NetR4202_4_1: R4202_4.1 R4203_4.1 R4204_4.2 R4205_4.2 R4206_4.2 | length 922.4
  Top w6: 2800,707.28 v2(2800,731.25) ; v1(3168.75,756.25) R4206_4.2@3168.75,782.28
  Top w16: R4203_4.1@2775,636.47 2726.03,636.47 2693.75,668.75 R4202_4.1@2693.75,707.28 2800,707.28 2842.85,707.28 R4204_4.2@2900,707.28 2900,668.75 2867.72,636.47 R4205_4.2@2818.75,636.47
  Int3 (Sig) w6: v2(2800,731.25) 2812.5,743.75 3043.75,743.75 3068.75,718.75 3131.25,718.75 v1(3168.75,756.25)
NetR4202_5_1: R4202_5.1 R4203_5.1 R4204_5.2 R4205_5.2 R4206_5.2 | length 553.3
  Top w6: R4206_5.2@3212.5,782.28 3212.5,743.75 3225,731.25 3225,708.73 3226.44,707.28
  Top w16: R4203_5.1@3206.25,636.47 3157.28,636.47 3125,668.75 R4202_5.1@3125,707.28 3226.44,707.28 3274.1,707.28 R4204_5.2@3331.25,707.28 3331.25,668.75 3298.97,636.47 R4205_5.2@3250,636.47
NetR4202_6_1: R4202_6.1 R4203_6.1 R4204_6.2 R4205_6.2 R4206_6.2 | length 959.9
  Top w6: v1(3256.25,756.25) R4206_6.2@3256.25,782.28 ; 3662.5,707.28 v1(3662.5,731.25)
  Top w16: R4203_6.1@3637.5,636.47 3588.53,636.47 3556.25,668.75 R4202_6.1@3556.25,707.28 3662.5,707.28 3705.35,707.28 R4204_6.2@3762.5,707.28 3762.5,668.75 3730.22,636.47 R4205_6.2@3681.25,636.47
  Int3 (Sig) w6: v1(3256.25,756.25) 3281.25,731.25 3312.5,731.25 3337.5,756.25 3637.5,756.25 v1(3662.5,731.25)
NetR4202_7_1: R4202_7.1 R4203_7.1 R4204_7.2 R4205_7.2 R4206_7.2 | length 1343.3
  Top w6: v1(3300,756.25) R4206_7.2@3300,782.28 ; 4100,707.28 v1(4100,731.25)
  Top w16: R4203_7.1@4075,636.47 4026.03,636.47 3993.75,668.75 R4202_7.1@3993.75,707.28 4100,707.28 4142.85,707.28 R4204_7.2@4200,707.28 4200,668.75 4167.72,636.47 R4205_7.2@4118.75,636.47
  Int3 (Sig) w6: v1(3300,756.25) 3312.5,768.75 3437.5,768.75 4062.5,768.75 v1(4100,731.25)